# Altium PCB DCAC_V2c.PcbDoc (part 1 of 7) (continued)
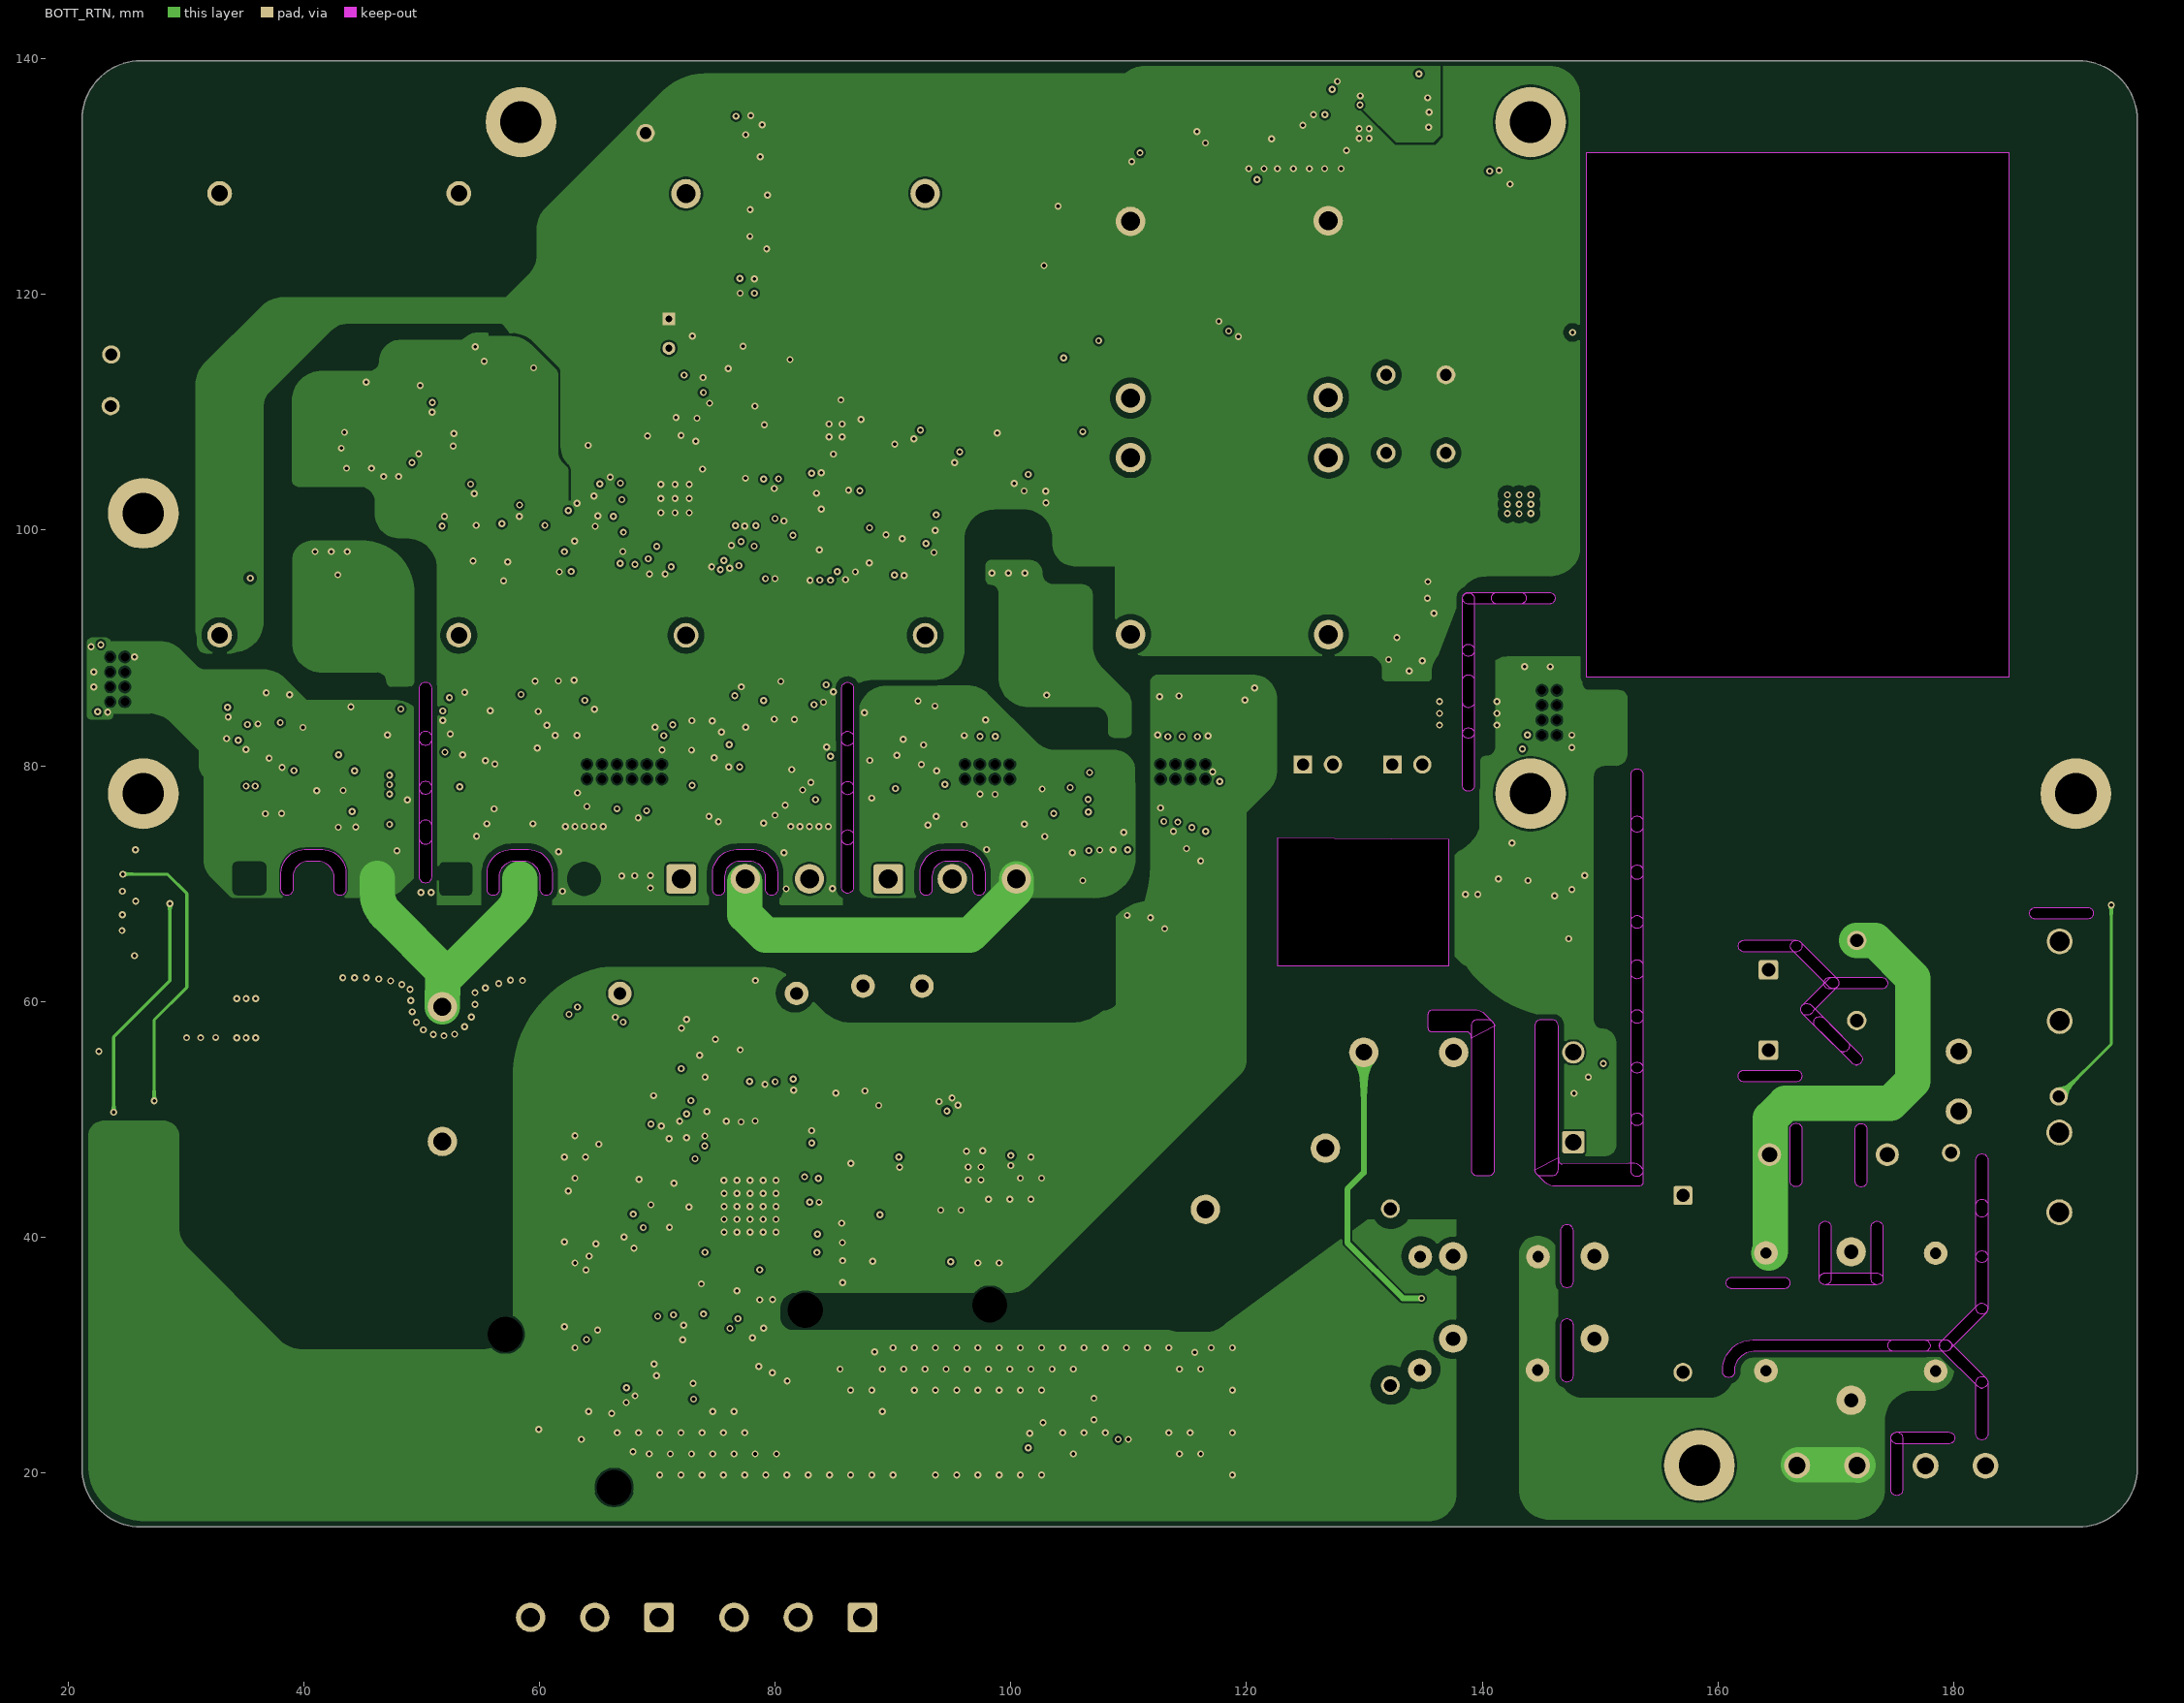
[diagram p3: BOTT_RTN]
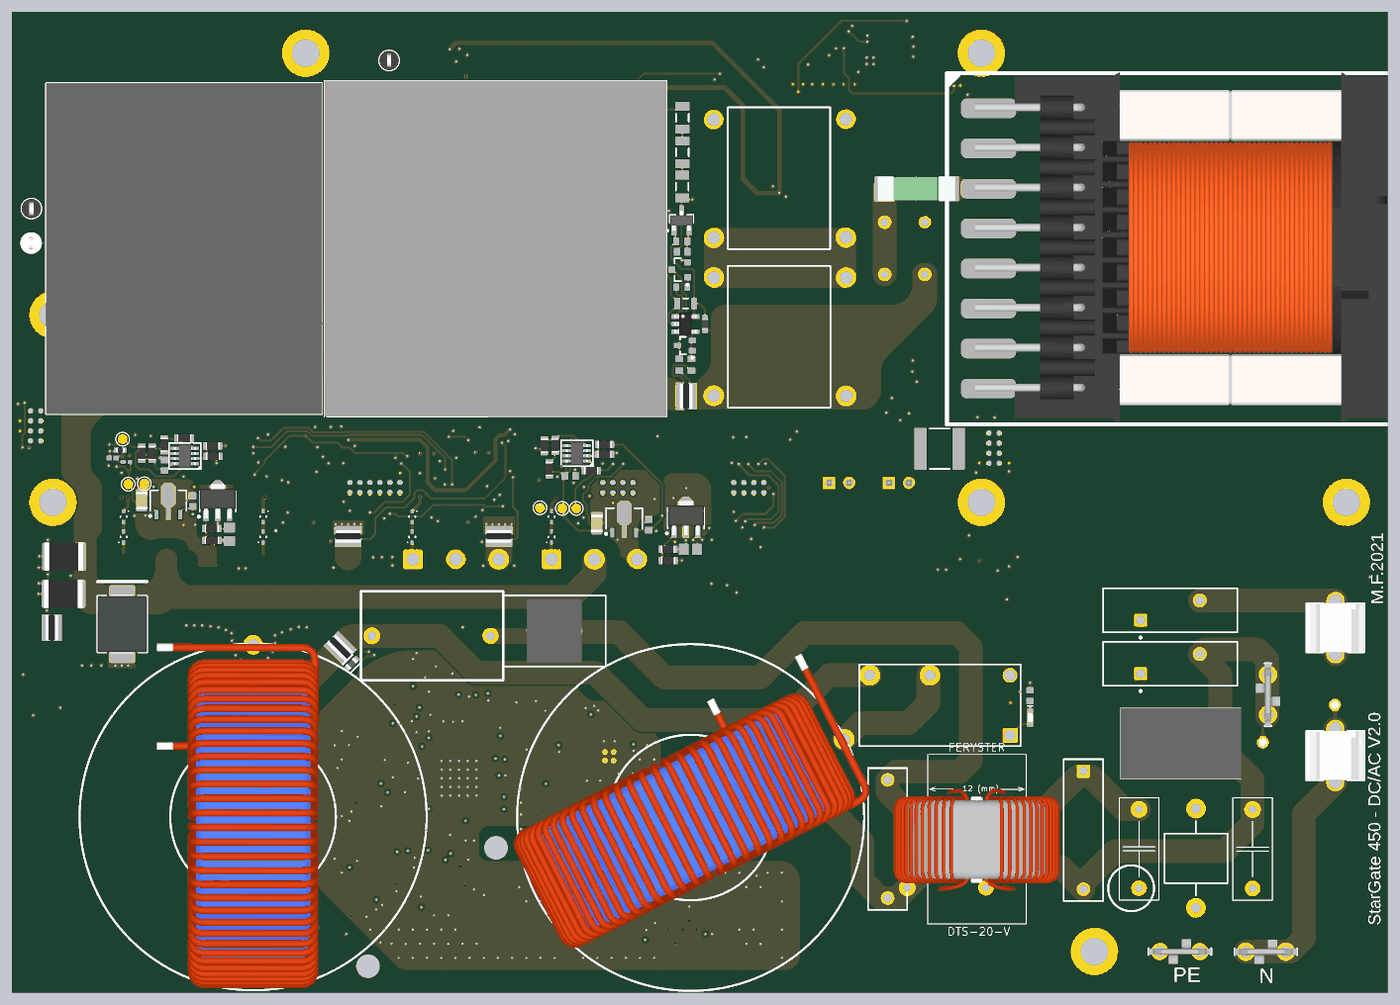
[diagram p10: 3D render of the assembled board from above, using the file's embedded part models]

## Layer stack, top to bottom
Top Solder: solder mask 0.0102, Solder Resist, Dk 3.5
Top Layer: signal copper 0.0356
Dielectric 2: prepreg 0.2, PP-006, Dk 4.1
TOP_RTN: signal copper 0.0175
Dielectric 1: dielectric 1, FR-4, Dk 4.8
BOTT_RTN: signal copper 0.0175
Dielectric 3: prepreg 0.2, PP-006, Dk 4.1
Bottom Layer: signal copper 0.0356
Bottom Solder: solder mask 0.0102, Solder Resist, Dk 3.5

## Board outline
21.175,20.4 ccw(c26.175,20.4) 26.175,15.4 190.65,15.4 190.579,15.396 ccw(c190.579,20.396) 195.579,20.396 195.575,20.425 195.575,134.85 195.575,134.825 ccw(c190.575,134.825) 190.575,139.825 26.175,139.825 ccw(c26.175,134.825) 21.175,134.825 21.175,134.85
cut-out: 42.568,70.487 ccw(c41.168,70.487) 41.168,71.887 40.368,71.887 ccw(c40.368,70.587) 39.068,70.587 39.068,69.487 cw(c38.568,69.487) 38.568,68.987 cw(c38.568,69.487) 38.068,69.487 38.068,70.887 cw(c40.068,70.887) 40.068,72.887 41.568,72.887 cw(c41.568,70.887) 43.568,70.887 43.568,69.487 cw(c43.068,69.487) 43.068,68.987 cw(c43.068,69.487) 42.568,69.487
cut-out: 60.063,70.487 ccw(c58.663,70.487) 58.663,71.887 57.863,71.887 ccw(c57.863,70.587) 56.563,70.587 56.563,69.487 cw(c56.063,69.487) 56.063,68.987 cw(c56.063,69.487) 55.563,69.487 55.563,70.887 cw(c57.563,70.887) 57.563,72.887 59.063,72.887 cw(c59.063,70.887) 61.063,70.887 61.063,69.487 cw(c60.563,69.487) 60.563,68.987 cw(c60.563,69.487) 60.063,69.487
cut-out: 79.193,70.487 ccw(c77.793,70.487) 77.793,71.887 76.993,71.887 ccw(c76.993,70.587) 75.693,70.587 75.693,69.487 cw(c75.193,69.487) 75.193,68.987 cw(c75.193,69.487) 74.693,69.487 74.693,70.887 cw(c76.693,70.887) 76.693,72.887 78.193,72.887 cw(c78.193,70.887) 80.193,70.887 80.193,69.487 cw(c79.693,69.487) 79.693,68.987 cw(c79.693,69.487) 79.193,69.487
cut-out: 96.8,70.485 ccw(c95.4,70.485) 95.4,71.885 94.6,71.885 ccw(c94.6,70.585) 93.3,70.585 93.3,69.485 cw(c92.8,69.485) 92.8,68.985 cw(c92.8,69.485) 92.3,69.485 92.3,70.885 cw(c94.3,70.885) 94.3,72.885 95.8,72.885 cw(c95.8,70.885) 97.8,70.885 97.8,69.485 cw(c97.3,69.485) 97.3,68.985 cw(c97.3,69.485) 96.8,69.485
cut-out: 147.686,28.18 cw(c147.186,28.18) 147.186,27.68 cw(c147.186,28.18) 146.686,28.18 146.686,32.58 cw(c147.186,32.58) 147.186,33.08 cw(c147.186,32.58) 147.586,32.88 147.486,32.98 cw(c147.186,32.58) 147.686,32.58
cut-out: 147.686,36.18 cw(c147.186,36.18) 147.186,35.68 cw(c147.186,36.18) 146.686,36.18 146.686,40.58 cw(c147.186,40.58) 147.186,41.08 cw(c147.186,40.58) 147.586,40.88 147.486,40.98 cw(c147.186,40.58) 147.686,40.58
cut-out: 175.194,22.452 cw(c175.194,22.952) 174.694,22.952 cw(c175.194,22.952) 175.194,23.452 179.594,23.452 cw(c179.594,22.952) 180.094,22.952 cw(c179.594,22.952) 179.894,22.552 179.994,22.652 cw(c179.594,22.952) 179.594,22.452
cut-out: 174.675,22.957 cw(c175.175,22.957) 175.175,23.457 cw(c175.175,22.957) 175.675,22.957 175.675,18.557 cw(c175.175,18.557) 175.175,18.057 cw(c175.175,18.557) 174.775,18.257 174.875,18.157 cw(c175.175,18.557) 174.675,18.557
cut-out: 146.451,46.738 146.451,46.563 ccw(c146.801,46.563) 146.801,46.213 152.3,46.24 cw(c152.689,45.306) 153.623,45.695 153.623,44.647 cw(c153.29,44.647) 153.29,44.313 146.171,44.313 cw(c146.171,45.508) 145.326,44.663 144.592,45.397 cw(c144.934,45.738) 144.451,45.738
cut-out: 191.355,67.981 cw(c191.355,67.481) 191.855,67.481 cw(c191.355,67.481) 191.355,66.981 186.955,66.981 cw(c186.955,67.481) 186.455,67.481 cw(c186.955,67.481) 186.655,67.881 186.555,67.781 cw(c186.955,67.481) 186.955,67.981
cut-out: 167.177,58.978 cw(c167.531,59.331) 167.177,59.685 cw(c167.531,59.331) 167.884,59.685 170.995,56.573 cw(c170.642,56.22) 170.995,55.866 cw(c170.642,56.22) 170.571,55.725 170.713,55.725 cw(c170.642,56.22) 170.288,55.866
cut-out: 168.285,57.866 cw(c168.639,58.22) 168.285,58.574 cw(c168.639,58.22) 168.992,58.574 172.103,55.462 cw(c171.75,55.109) 172.103,54.755 cw(c171.75,55.109) 171.679,54.614 171.821,54.614 cw(c171.75,55.109) 171.396,54.755
cut-out: 166.62,54.17 cw(c166.62,53.67) 167.12,53.67 cw(c166.62,53.67) 166.62,53.17 162.22,53.17 cw(c162.22,53.67) 161.72,53.67 cw(c162.22,53.67) 161.92,54.07 161.82,53.97 cw(c162.22,53.67) 162.22,54.17
cut-out: 153.633,54.404 cw(c153.133,54.404) 153.133,53.904 cw(c153.133,54.404) 152.633,54.404 152.633,58.804 cw(c153.133,58.804) 153.133,59.304 cw(c153.133,58.804) 153.533,59.104 153.433,59.204 cw(c153.133,58.804) 153.633,58.804
cut-out: 153.633,58.634 cw(c153.133,58.634) 153.133,58.134 cw(c153.133,58.634) 152.633,58.634 152.633,63.034 cw(c153.133,63.034) 153.133,63.534 cw(c153.133,63.034) 153.533,63.334 153.433,63.434 cw(c153.133,63.034) 153.633,63.034
cut-out: 153.633,62.399 cw(c153.133,62.399) 153.133,61.899 cw(c153.133,62.399) 152.633,62.399 152.633,66.799 cw(c153.133,66.799) 153.133,67.299 cw(c153.133,66.799) 153.533,67.099 153.433,67.199 cw(c153.133,66.799) 153.633,66.799
cut-out: 85.644,74.076 cw(c86.144,74.076) 86.144,74.576 cw(c86.144,74.076) 86.644,74.076 86.644,69.676 cw(c86.144,69.676) 86.144,69.176 cw(c86.144,69.676) 85.744,69.376 85.844,69.276 cw(c86.144,69.676) 85.644,69.676
cut-out: 49.822,74.929 cw(c50.322,74.929) 50.322,75.429 cw(c50.322,74.929) 50.822,74.929 50.822,70.529 cw(c50.322,70.529) 50.322,70.029 cw(c50.322,70.529) 49.922,70.229 50.022,70.129 cw(c50.322,70.529) 49.822,70.529
cut-out: 85.634,86.585 cw(c86.134,86.585) 86.134,87.085 cw(c86.134,86.585) 86.634,86.585 86.634,82.185 cw(c86.134,82.185) 86.134,81.685 cw(c86.134,82.185) 85.734,81.885 85.834,81.785 cw(c86.134,82.185) 85.634,82.185
cut-out: 85.642,82.433 cw(c86.142,82.433) 86.142,82.933 cw(c86.142,82.433) 86.642,82.433 86.642,78.033 cw(c86.142,78.033) 86.142,77.533 cw(c86.142,78.033) 85.742,77.733 85.842,77.633 cw(c86.142,78.033) 85.642,78.033
cut-out: 85.642,78.183 cw(c86.142,78.183) 86.142,78.683 cw(c86.142,78.183) 86.642,78.183 86.642,73.783 cw(c86.142,73.783) 86.142,73.283 cw(c86.142,73.783) 85.742,73.483 85.842,73.383 cw(c86.142,73.783) 85.642,73.783
cut-out: 49.829,78.206 cw(c50.329,78.206) 50.329,78.706 cw(c50.329,78.206) 50.829,78.206 50.829,73.806 cw(c50.329,73.806) 50.329,73.306 cw(c50.329,73.806) 49.929,73.506 50.029,73.406 cw(c50.329,73.806) 49.829,73.806
cut-out: 49.829,82.456 cw(c50.329,82.456) 50.329,82.956 cw(c50.329,82.456) 50.829,82.456 50.829,78.056 cw(c50.329,78.056) 50.329,77.556 cw(c50.329,78.056) 49.929,77.756 50.029,77.656 cw(c50.329,78.056) 49.829,78.056
cut-out: 49.821,86.608 cw(c50.321,86.608) 50.321,87.108 cw(c50.321,86.608) 50.821,86.608 50.821,82.208 cw(c50.321,82.208) 50.321,81.708 cw(c50.321,82.208) 49.921,81.908 50.021,81.808 cw(c50.321,82.208) 49.821,82.208
cut-out: 139.325,89.775 cw(c138.825,89.775) 138.825,89.275 cw(c138.825,89.775) 138.325,89.775 138.325,94.175 cw(c138.825,94.175) 138.825,94.675 cw(c138.825,94.175) 139.225,94.475 139.125,94.575 cw(c138.825,94.175) 139.325,94.175
cut-out: 138.825,93.725 cw(c138.825,94.225) 138.325,94.225 cw(c138.825,94.225) 138.825,94.725 143.225,94.725 cw(c143.225,94.225) 143.725,94.225 cw(c143.225,94.225) 143.525,93.825 143.625,93.925 cw(c143.225,94.225) 143.225,93.725
cut-out: 138.325,82.725 cw(c138.825,82.725) 138.825,83.225 cw(c138.825,82.725) 139.325,82.725 139.325,78.325 cw(c138.825,78.325) 138.825,77.825 cw(c138.825,78.325) 138.425,78.025 138.525,77.925 cw(c138.825,78.325) 138.325,78.325
cut-out: 138.325,89.825 cw(c138.825,89.825) 138.825,90.325 cw(c138.825,89.825) 139.325,89.825 139.325,85.425 cw(c138.825,85.425) 138.825,84.925 cw(c138.825,85.425) 138.425,85.125 138.525,85.025 cw(c138.825,85.425) 138.325,85.425
cut-out: 138.325,87.225 cw(c138.825,87.225) 138.825,87.725 cw(c138.825,87.225) 139.325,87.225 139.325,82.825 cw(c138.825,82.825) 138.825,82.325 cw(c138.825,82.825) 138.425,82.525 138.525,82.425 cw(c138.825,82.825) 138.325,82.825
cut-out: 139.05,56.875 139.05,57.05 ccw(c138.7,57.05) 138.7,57.4 135.75,57.4 cw(c135.75,57.725) 135.425,57.725 135.425,58.925 cw(c135.8,58.925) 135.8,59.3 139.33,59.3 cw(c139.33,58.105) 140.175,58.95 140.909,58.216 cw(c140.567,57.875) 141.05,57.875
cut-out: 145.675,94.725 cw(c145.675,94.225) 146.175,94.225 cw(c145.675,94.225) 145.675,93.725 141.275,93.725 cw(c141.275,94.225) 140.775,94.225 cw(c141.275,94.225) 140.975,94.625 140.875,94.525 cw(c141.275,94.225) 141.275,94.725
cut-out: 153.627,45.636 cw(c153.127,45.636) 153.127,45.136 cw(c153.127,45.636) 152.627,45.636 152.627,50.036 cw(c153.127,50.036) 153.127,50.536 cw(c153.127,50.036) 153.527,50.336 153.427,50.436 cw(c153.127,50.036) 153.627,50.036
cut-out: 152.634,79.248 cw(c153.134,79.248) 153.134,79.748 cw(c153.134,79.248) 153.634,79.248 153.634,74.848 cw(c153.134,74.848) 153.134,74.348 cw(c153.134,74.848) 152.734,74.548 152.834,74.448 cw(c153.134,74.848) 152.634,74.848
cut-out: 153.637,70.843 cw(c153.137,70.843) 153.137,70.343 cw(c153.137,70.843) 152.637,70.843 152.637,75.243 cw(c153.137,75.243) 153.137,75.743 cw(c153.137,75.243) 153.537,75.543 153.437,75.643 cw(c153.137,75.243) 153.637,75.243
cut-out: 169.484,61.046 cw(c169.484,61.546) 168.984,61.546 cw(c169.484,61.546) 169.484,62.046 173.884,62.046 cw(c173.884,61.546) 174.384,61.546 cw(c173.884,61.546) 174.184,61.146 174.284,61.246 cw(c173.884,61.546) 173.884,61.046
cut-out: 174,36.45 cw(c173.5,36.45) 173.5,35.95 cw(c173.5,36.45) 173,36.45 173,40.85 cw(c173.5,40.85) 173.5,41.35 cw(c173.5,40.85) 173.9,41.15 173.8,41.25 cw(c173.5,40.85) 174,40.85
cut-out: 169.6,36.45 cw(c169.1,36.45) 169.1,35.95 cw(c169.1,36.45) 168.6,36.45 168.6,40.85 cw(c169.1,40.85) 169.1,41.35 cw(c169.1,40.85) 169.5,41.15 169.4,41.25 cw(c169.1,40.85) 169.6,40.85
cut-out: 182.9,23.275 cw(c182.4,23.275) 182.4,22.775 cw(c182.4,23.275) 181.9,23.275 181.9,27.675 cw(c182.4,27.675) 182.4,28.175 cw(c182.4,27.675) 182.8,27.975 182.7,28.075 cw(c182.4,27.675) 182.9,27.675
cut-out: 153.636,66.693 cw(c153.136,66.693) 153.136,66.193 cw(c153.136,66.693) 152.636,66.693 152.636,71.093 cw(c153.136,71.093) 153.136,71.593 cw(c153.136,71.093) 153.536,71.393 153.436,71.493 cw(c153.136,71.093) 153.636,71.093
cut-out: 153.635,49.95 cw(c153.135,49.95) 153.135,49.45 cw(c153.135,49.95) 152.635,49.95 152.635,54.35 cw(c153.135,54.35) 153.135,54.85 cw(c153.135,54.35) 153.535,54.65 153.435,54.75 cw(c153.135,54.35) 153.635,54.35
cut-out: 178.926,30.435 cw(c179.28,30.788) 178.926,31.142 cw(c179.28,30.788) 179.633,31.142 182.745,28.031 cw(c182.391,27.677) 182.745,27.324 cw(c182.391,27.677) 182.32,27.182 182.462,27.182 cw(c182.391,27.677) 182.038,27.324
cut-out: 182.035,34.249 cw(c182.388,33.895) 182.742,34.249 cw(c182.388,33.895) 182.742,33.542 179.631,30.43 cw(c179.277,30.784) 178.924,30.43 cw(c179.277,30.784) 178.782,30.855 178.782,30.713 cw(c179.277,30.784) 178.924,31.137
cut-out: 182.9,42.175 cw(c182.4,42.175) 182.4,41.675 cw(c182.4,42.175) 181.9,42.175 181.9,46.575 cw(c182.4,46.575) 182.4,47.075 cw(c182.4,46.575) 182.8,46.875 182.7,46.975 cw(c182.4,46.575) 182.9,46.575
cut-out: 182.9,38.325 cw(c182.4,38.325) 182.4,37.825 cw(c182.4,38.325) 181.9,38.325 181.9,42.725 cw(c182.4,42.725) 182.4,43.225 cw(c182.4,42.725) 182.8,43.025 182.7,43.125 cw(c182.4,42.725) 182.9,42.725
cut-out: 182.9,33.95 cw(c182.4,33.95) 182.4,33.45 cw(c182.4,33.95) 181.9,33.95 181.9,38.35 cw(c182.4,38.35) 182.4,38.85 cw(c182.4,38.35) 182.8,38.65 182.7,38.75 cw(c182.4,38.35) 182.9,38.35
cut-out: 172.64,44.745 cw(c172.14,44.745) 172.14,44.245 cw(c172.14,44.745) 171.64,44.745 171.64,49.145 cw(c172.14,49.145) 172.14,49.645 cw(c172.14,49.145) 172.54,49.445 172.44,49.545 cw(c172.14,49.145) 172.64,49.145
cut-out: 166.294,64.336 cw(c166.647,64.69) 166.294,65.043 cw(c166.647,64.69) 167.001,65.043 170.112,61.932 cw(c169.759,61.579) 170.112,61.225 cw(c169.759,61.579) 169.688,61.084 169.829,61.084 cw(c169.759,61.579) 169.405,61.225
cut-out: 169.409,61.918 cw(c169.763,61.565) 170.116,61.918 cw(c169.763,61.565) 170.116,61.211 168.072,59.167 cw(c167.524,59.443) 167.248,58.895 cw(c167.618,59.355) 167.03,59.3 cw(c167.596,59.311) 167.248,59.757
cut-out: 174.925,30.3 cw(c174.925,30.8) 174.425,30.8 cw(c174.925,30.8) 174.925,31.3 179.325,31.3 cw(c179.325,30.8) 179.825,30.8 cw(c179.325,30.8) 179.625,30.4 179.725,30.5 cw(c179.325,30.8) 179.325,30.3
cut-out: 167.125,44.77 cw(c166.625,44.77) 166.625,44.27 cw(c166.625,44.77) 166.125,44.77 166.125,49.17 cw(c166.625,49.17) 166.625,49.67 cw(c166.625,49.17) 167.025,49.47 166.925,49.57 cw(c166.625,49.17) 167.125,49.17
cut-out: 166.63,65.2 cw(c166.63,64.7) 167.13,64.7 cw(c166.63,64.7) 166.63,64.2 162.23,64.2 cw(c162.23,64.7) 161.73,64.7 cw(c162.23,64.7) 161.93,65.1 161.83,65 cw(c162.23,64.7) 162.23,65.2
cut-out: 173.5,36.95 cw(c173.5,36.45) 174,36.45 cw(c173.5,36.45) 173.5,35.95 169.1,35.95 cw(c169.1,36.45) 168.6,36.45 cw(c169.1,36.45) 168.8,36.85 168.7,36.75 cw(c169.1,36.45) 169.1,36.95
cut-out: 165.607,36.605 cw(c165.607,36.105) 166.107,36.105 cw(c165.607,36.105) 165.607,35.605 161.207,35.605 cw(c161.207,36.105) 160.707,36.105 cw(c161.207,36.105) 160.907,36.505 160.807,36.405 cw(c161.207,36.105) 161.207,36.605
cut-out: 177.506,30.276 163.006,30.276 ccw(c163.006,28.676) 161.406,28.676 161.406,28.576 cw(c160.906,28.576) 160.906,28.076 cw(c160.906,28.576) 160.406,28.576 160.406,28.736 cw(c162.946,28.736) 162.946,31.276 177.506,31.276 cw(c177.506,30.776) 178.006,30.776 cw(c177.506,30.776)
cut-out: 139.05,57.925 139.05,45.725 ccw(c139.55,45.725) 139.55,45.225 140.55,45.225 ccw(c140.55,45.725) 141.05,45.725 141.05,57.825 ccw(c140.45,57.825) 140.45,58.425 139.55,58.425 ccw(c139.55,57.925)
cut-out: 144.45,57.925 144.45,45.725 ccw(c144.95,45.725) 144.95,45.225 145.95,45.225 ccw(c145.95,45.725) 146.45,45.725 146.45,57.925 ccw(c145.95,57.925) 145.95,58.425 144.95,58.425 ccw(c144.95,57.925)
cut-out: 122.65,62.975 122.65,73.902 137.15,73.773 137.15,62.975
cut-out: 148.85,132.05 184.7,132.05 184.7,87.5 148.85,87.5

## Design rules (kind name [scope] priority, off if disabled: settings)
Clearance Clearance_small [(InComponent('U2') OR InComponent('J1') OR InComponent('J4') OR InComponent('j5') OR InComponent('J6') OR InComponent('CONN_BOTT'))] p1: gap=0.102 ignorepadtopadclearanceinfootprint=FALSE except(0.152: THPad-Fill THPad-Poly THPad-Region)
Clearance Clearance_INDGND [(InNetClass('IND') OR InNetClass('HVDC+') OR InNetClass('GRID+') OR InNetClass('GRID-')) vs InNet('BOTT_GND')] p2: gap=0.178 ignorepadtopadclearanceinfootprint=FALSE except(0.5: THPad-Fill THPad-Poly THPad-Region Via-Fill Via-Poly Via-Region Fill-Fill Fill-Poly Fill-Region Poly-Poly Poly-Region Region-Region)
Clearance Clearance_HV_CURRENT_SENSE [InNetClass('HV_CURRENT_SENSE')] p3: gap=0.178 ignorepadtopadclearanceinfootprint=FALSE
Clearance Clearance_TOP_MOS [InNetClass('TOP_MOS')] p4: gap=0.178 ignorepadtopadclearanceinfootprint=FALSE except(0.508: Fill-Fill Fill-Poly Fill-Region Poly-Poly Poly-Region Region-Region)
Clearance Clearance_GND2 [(OnLayer('TOP_RTN') OR OnLayer('BOTT_RTN'))] p5: gap=0.178 ignorepadtopadclearanceinfootprint=FALSE except(0.508: Fill-Fill Fill-Poly Fill-Region Poly-Poly Poly-Region Region-Region)
Clearance Clearance_HVDC [(InNetClass('HVDC+')   OR  InNetClass('HVDC-')) vs (OnLayer('Top Layer') OR OnLayer('Bottom Layer'))] p6: gap=1.8 ignorepadtopadclearanceinfootprint=FALSE except(0.2: SMDPad-SMDPad)
Clearance [All] p7: gap=0.178 ignorepadtopadclearanceinfootprint=FALSE
Clearance Clearance_3 [InNetClass('BOTT')] p8: gap=0.178 ignorepadtopadclearanceinfootprint=FALSE
Clearance Clearance_5 [InNetClass('GRID+')] p9: gap=0.178 ignorepadtopadclearanceinfootprint=FALSE
Clearance Clearance_2 [InNetClass('GRID+')  OR InNetClass('GRID-')] p10: gap=2 ignorepadtopadclearanceinfootprint=FALSE except(0.254: SMDPad-SMDPad)
Clearance Clearance_4 [InNetClass('HVDC') vs (OnLayer('TOP_RTN') OR OnLayer('BOTT_RTN'))] p11: gap=0.5 ignorepadtopadclearanceinfootprint=FALSE
HoleSize [All] p1: absolutevalues=TRUE maxlimit=5 minlimit=0.025 maxpercent=80.000 minpercent=20.000
PolygonConnect [All] p1: connectstyle=Direct reliefconductorwidth=0.254 reliefentries=4 polygonreliefangle="90 Angle" airgapwidth=0.254
RoomDefinition IND_CURRENT_SENSE [InComponentClass('IND_CURRENT_SENSE')] p1: confinementstyle=ConfineIn formatcopy=TRUE lockcomponents=FALSE outline 0,0 50.8,0 50.8,25.4 0,25.4
RoomDefinition DRV_TOP_MOS [InComponentClass('DRV_TOP_MOS')] p2: confinementstyle=ConfineIn formatcopy=TRUE lockcomponents=FALSE outline 0,0 50.8,0 50.8,25.4 0,25.4
RoomDefinition Control_Sense_BOTT [InComponentClass('Control_Sense_BOTT')] p3: confinementstyle=ConfineIn formatcopy=TRUE lockcomponents=FALSE outline 0,0 50.8,0 50.8,25.4 0,25.4
RoutingVias [All] p1: holewidth=0.3 width=0.6 viastyle="Through Hole" minholewidth=0.3 minwidth=0.6 maxholewidth=2 maxwidth=1.27
SolderMaskExpansion [All] p1: expansion=0.06 istentingtop=FALSE
Width [All] p1: maxlimit=20 minlimit=0.178 preferedwidth=0.254
29 further rules are at their usual default settings.

## Classes and differential pairs
net class HV_CURRENT_SENSE: I_HVDC_SENSE+ NetC173_1 NetC173_2 NetD5_1 NetD5_3 NetD42_2 NetQ1_1 NetQ1_2 NetR206_1 NetR216_1 V_400VDC
net class IND: BOTT_GND DAC1_2 DAC2_2 HF_TOP_TRIG_ADC_2 HVDC_2 HVDC_ADC1_IN3_2 HVDC_ADC1_IN4_2 IAC_ADC2_IN4_2 IAC_ADC2_IN5_2 IAC_COMP1_INP_2 IAC_COMP2_INP_2 IAC_COMP3_INP_2 IAC_PGA1_VIN+_2 IAC_PGA1_VOUT_2 IAC_PGA2_VOUT_2 IAC_REF_2 IND_GND IND_V_3V3A IND_V_3V3D IND_V_5A IND_V_6VP INV_IND_SHUNT+ INV_IND_SHUNT- L_GRID N_GRID N_GRID_BF_RELAY NetBR2_1 NetBR2_2 NetBR2_3 NetC7_1 NetC11_2 NetC19_2 NetC22_2 NetC32_1 NetC36_1 NetC36_2 NetC39_1 NetC39_2 NetC50_1 NetC51_1 NetC51_2 NetC52_1 NetC52_2 NetC79_2 NetC96_2 NetC99_2 NetC101_2 NetC130_1 NetC133_2 NetC135_2 NetC145_1 NetC146_1 NetC146_2 NetC147_1 NetC151_2 NetC154_1 NetC154_2 NetC157_2 NetC166_1 NetC166_2 NetC174_2 NetC190_2 NetD2_1 NetD2_4 NetD2_5 NetJ1_2 NetJ1_4 NetJ1_5 NetJ1_6 NetJ1_7 NetLED2_1 NetQ7_3 NetR6_1 NetR8_1 NetR9_2 NetR14_2 NetR45_1 NetR45_2 NetR46_1 NetR52_1 NetR52_2 NetR54_1 NetR54_2 NetR55_2 NetR56_1 NetR68_1 NetR82_1 NetR90_1 NetR90_2 NetR91_1 NetR94_1 NetR94_2 NetR96_1 NetR101_1 NetR113_1 NetR113_2 NetR134_1 NetR139_1 NetR139_2 NetR173_1 NetR204_2 NetR207_2 NetR244_2 NetR254_2 NetR255_1 NetR268_1 NetU9_4 NetU9_8 NetU19_4 NetU19_8 NetU20_4 NetU20_8 NetU25_5 NetU30_4 NetU30_8 NetU32_3 NetU32_4 NetU32_6 NetU32_19 NetU32_22 NetU32_27 NetU32_29 NetU32_30 NetU32_32 NetU32_38 NetU32_42 NetU32_44 NetU32_45 NetU32_47 NRST_2 NRST_uC_2 OC_OUT_2 SPI_MISO_TOP_HF_MOS_2 SPI_MOSI_TOP_HF_MOS_2 SPI_SCK_TOP_HF_MOS_2 STATUS1_2 SWCLK_2 SWDIO_2 SWO_2 TMON_SHUNT_NTC_2 TOP_HF_TWO_LEVEL_TIM1_CH2N_2 TOP_LF_GND USART1_RX_2 V_400VDC VAC_2 VAC_ADC1_IN1_2 VAC_ADC1_IN2_2 VAC_ADC_2 VAC_BF_OPAMP1_OUT_2 VINMON_2 VREF
net class TOP_MOS: NetC14_2 NetC15_2 NetC78_2 NetC80_2 NetC81_2 NetC87_2 NetC97_2 NetC102_2 NetC103_2 NetC115_2 NetD29_1 NetD29_2 NetD30_1 NetD30_2 NetJ4_1 NetJ4_2 NetJ4_8 NetJ5_1 NetJ5_2 NetJ5_8 NetQ26_1 NetQ26_3 NetQ28_1 NetQ29_1 NetQ29_3 NetQ31_1 NetR108_2 NetR121_2 NetR123_2 NetR145_1 NetR145_2 NetR146_1 NetR147_2 NetR148_1 NetR162_2 NetR163_2 NetR165_2 NetR181_1 NetR181_2 NetR183_1 NetR184_2 NetR185_1 NetU13_4 NetU13_8 NetU29_4 NetU29_8 TOP_HF_GND TOP_HF_MOS_UVOV TOP_HF_MOS_V_5V TOP_HF_MOS_VSN TOP_HF_MOS_VSP TOP_LF_GND TOP_LF_MOS_UVOV TOP_LF_MOS_V_5V TOP_LF_MOS_VSN TOP_LF_MOS_VSP VH_TOP_HF_MOS VH_TOP_LF_MOS
net class HVDC+: I_HVDC_SENSE+ NetC1_1 NetC86_1 NetF3_1 TOP_HF_GND V_400VDC
net class GRID-: N_GRID N_GRID_BF_RELAY NetC16_2
net class GRID+: INV_IND_SHUNT- L_GRID N_GRID NetD39_1
component class IND_CURRENT_SENSE: BR2 C7 C11 C12 C18 C19 C20 C21 C22 C29 C30 C31 C32 C34 C36 C39 C40 C41 C44 C46 C50 C51 C52 C60 C63 C64 C65 C70 C73 C79 C83 C84 C94 C96 C99 C101 C108 C111 C128 C130 C131 C132 C133 C135 C139 C143 C145 C146 C147 C148 C151 C152 C153 C154 C155 C156 C157 C158 C160 C162 C163 C164 C165 C166 C167 C169 C174 C175 C190 D2 D9 D22 D31 D32 FB1 FB13 FB19 J1 J2 L5 LED2 NTC5 PT_SEC2 Q7 R1 R6 R7 R8 R9 R11 R14 R32 R40 R42 R44 R45 R46 R47 R49 R51 R52 R53 R54 R55 R56 R57 R58 R59 R60 R61 R62 R63 R64 R65 R68 R72 R73 R75 R77 R80 R82 R83 R84 R89 R90 R91 R92 R93 R94 R96 R97 R98 R101 R102 R109 R110 R113 R114 R117 R118 R120 R134 R135 R136 R137 R139 R173 R180 R182 R190 R194 R196 R197 R200 R201 R202 R204 R207 R210 R217 R244 R245 R246 R254 R255 R256 R260 R261 R264 R265 R266 R267 R268 TP20 TP21 TP22 TP23 TP24 TP27 TP28 TP29 TP30 TP31 TP32 TP33 TP34 TP35 TP36 TP37 TP38 TP39 U4 U8 U9 U19 U20 U21 U22 U25 U30 U32 U38 U39 U41